# Altium PCB as14120_all_2.PcbDoc (part 2 of 2) (continued)
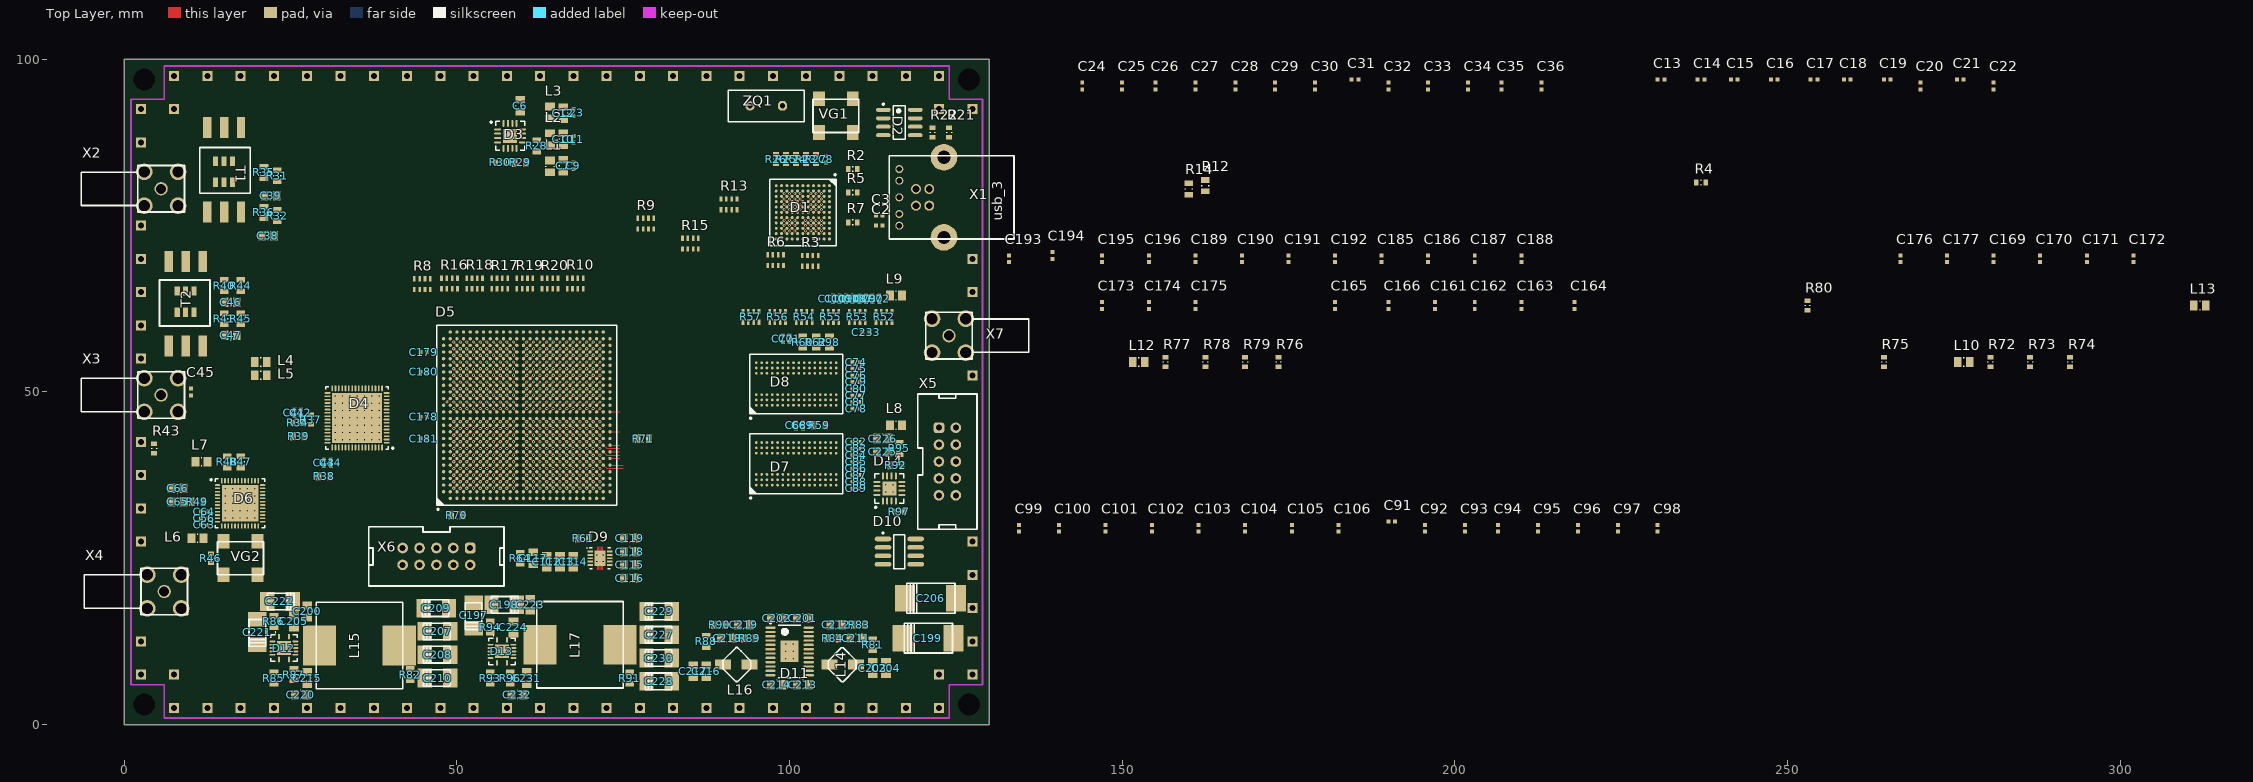
[diagram p0: Top Layer view]
## Nets (pads, with @x,y where several pads share a name; then routed paths per layer and width w, separated by ;. In a path a pad name is that pad's centre, name@x,y a point inside that pad or via, vN(x,y) a via of type N, cw(c..) or ccw(c..) an arc to the next point about the centre after c; other vN are vias at no path point) (continued)
  Top Layer w0.15: D5.P10@61,43 v1(61.5,42.5)
DDR_CK_P: D5.N10 D7.J7 D8.J7 R98.2 | length 0.7
  Top Layer w0.15: D5.N10@60,43 v1(60.5,42.5)
DDR_CKE: D5.AF14 D7.K9 D8.K9 R62.2 | length 1.5
  Top Layer w0.15: D5.AF14@73,47 74.5,47
DDR_CS: D5.R11 D7.L2 D8.L2 R57.8 | length 0.7
  Top Layer w0.15: D5.R11@62,44 v1(62.5,43.5)
DDR_DM0: D5.AF11 D7.E7 | length 1.5
  Top Layer w0.15: D5.AF11@73,44 74.5,44
DDR_DM1: D5.AE18 D7.D3
DDR_DM2: D5.AE20 D8.E7
DDR_DM3: D5.AE24 D8.D3
DDR_DQ0: D5.AA14 D7.E3 | length 0.7
  Top Layer w0.15: D5.AA14@68,47 v1(68.5,47.5)
DDR_DQ1: D5.Y14 D7.F7 | length 0.7
  Top Layer w0.15: D5.Y14@67,47 v1(67.5,47.5)
DDR_DQ2: D5.AD11 D7.F2 | length 0.7
  Top Layer w0.15: D5.AD11@71,44 v1(71.5,43.5)
DDR_DQ3: D5.AD12 D7.F8 | length 0.7
  Top Layer w0.15: D5.AD12@71,45 v1(71.5,44.5)
DDR_DQ4: D5.Y13 D7.H3 | length 0.7
  Top Layer w0.15: D5.Y13@67,46 v1(67.5,45.5)
DDR_DQ5: D5.W12 D7.H8 | length 0.7
  Top Layer w0.15: D5.W12@66,45 v1(66.5,44.5)
DDR_DQ6: D5.AD10 D7.G2 | length 0.7
  Top Layer w0.15: D5.AD10@71,43 v1(71.5,42.5)
DDR_DQ7: D5.AF12 D7.H7
DDR_DQ8: D5.AC15 D7.D7 | length 0.7
  Top Layer w0.15: D5.AC15@70,48 v1(70.5,48.5)
DDR_DQ9: D5.AB15 D7.C3 | length 0.7
  Top Layer w0.15: D5.AB15@69,48 v1(69.5,48.5)
DDR_DQ10: D5.AC14 D7.C8 | length 0.7
  Top Layer w0.15: D5.AC14@70,47 v1(70.5,47.5)
DDR_DQ11: D5.AF13 D7.C2
DDR_DQ12: D5.AB16 D7.A7 | length 0.7
  Top Layer w0.15: D5.AB16@69,49 v1(69.5,49.5)
DDR_DQ13: D5.AA16 D7.A2 | length 0.7
  Top Layer w0.15: D5.AA16@68,49 v1(68.5,49.5)
DDR_DQ14: D5.AE14 D7.B8
DDR_DQ15: D5.AF18 D7.A3
DDR_DQ16: D5.AD16 D8.E3 | length 0.7
  Top Layer w0.15: D5.AD16@71,49 v1(71.5,49.5)
DDR_DQ17: D5.AD17 D8.F7 | length 0.7
  Top Layer w0.15: D5.AD17@71,50 v1(71.5,50.5)
DDR_DQ18: D5.AC18 D8.F2 | length 0.7
  Top Layer w0.15: D5.AC18@70,51 v1(70.5,51.5)
DDR_DQ19: D5.AF19 D8.F8
DDR_DQ20: D5.AC17 D8.H3 | length 0.7
  Top Layer w0.15: D5.AC17@70,50 v1(70.5,50.5)
DDR_DQ21: D5.AB17 D8.H8 | length 0.7
  Top Layer w0.15: D5.AB17@69,50 v1(69.5,50.5)
DDR_DQ22: D5.AF21 D8.G2
DDR_DQ23: D5.AE21 D8.H7
DDR_DQ24: D5.AE15 D8.D7
DDR_DQ25: D5.AE16 D8.C3
DDR_DQ26: D5.AC20 D8.C8 | length 0.7
  Top Layer w0.15: D5.AC20@70,53 v1(70.5,53.5)
DDR_DQ27: D5.AD21 D8.C2 | length 0.7
  Top Layer w0.15: D5.AD21@71,54 v1(71.5,54.5)
DDR_DQ28: D5.AF16 D8.A7
DDR_DQ29: D5.AF17 D8.A2
DDR_DQ30: D5.AD23 D8.B8 | length 0.7
  Top Layer w0.15: D5.AD23@71,56 v1(71.5,56.5)
DDR_DQ31: D5.AF23 D8.A3
DDR_DQS0_N: D5.W13 D7.G3 | length 0.7
  Top Layer w0.15: D5.W13@66,46 v1(66.5,45.5)
DDR_DQS0_P: D5.V13 D7.F3 | length 0.7
  Top Layer w0.15: D5.V13@65,46 v1(65.5,45.5)
DDR_DQS1_N: D5.V14 D7.B7 | length 0.7
  Top Layer w0.15: D5.V14@65,47 v1(65.5,47.5)
DDR_DQS1_P: D5.U14 D7.C7 | length 0.7
  Top Layer w0.15: D5.U14@64,47 v1(64.5,47.5)
DDR_DQS2_N: D5.W15 D8.G3 | length 0.7
  Top Layer w0.15: D5.W15@66,48 v1(66.5,48.5)
DDR_DQS2_P: D5.V15 D8.F3 | length 0.7
  Top Layer w0.15: D5.V15@65,48 v1(65.5,48.5)
DDR_DQS3_N: D5.W17 D8.B7 | length 0.7
  Top Layer w0.15: D5.W17@66,50 v1(66.5,50.5)
DDR_DQS3_P: D5.W16 D8.C7 | length 0.7
  Top Layer w0.15: D5.W16@66,49 v1(66.5,49.5)
DDR_ODT: D5.AD13 D7.K1 D8.K1 R57.7 | length 0.7
  Top Layer w0.15: D5.AD13@71,46 v1(71.5,45.5)
DDR_RAS: D5.Y10 D7.J3 D8.J3 R56.5 | length 0.7
  Top Layer w0.15: D5.Y10@67,43 v1(67.5,42.5)
DDR_RESET_N: D5.AE19 D7.T2 D8.T2 R63.2
DDR_WE: D5.T9 D7.L3 D8.L3 R56.7 | length 0.7
  Top Layer w0.15: D5.T9@63,42 v1(63.5,41.5)
FPGA_CONF_DONE: D1.C1 D1.D2 D1.D3 D1.D4 D5.A6 D5.B5 D5.F5 D5.N8 R77.2 R78.2 R79.2 | length 2.5
  Top Layer w0.15: v1(52.5,37.5) D5.F5@53,38 ; D5.N8@60,41 v1(60.5,40.5) ; D1.D4@103.607,78.6 v2@104.007,79 ; D1.D3@103.607,79.4 v2@104.007,79.8
  other v2: 104,79 104,79.8
FPGA_DATA0: D1.D5 D5.AF5 | length 0.6
  Top Layer w0.15: D1.D5@103.607,77.8 v2@104.007,78.2
  other v2: 104,78.2
NetC1_1: C1.1 D1.E11 R1.1
NetC2_2: C2.2 D1.A5
NetC3_2: C3.2 D1.A6
NetC4_2: C4.2 D1.C7 ZQ1.1 | length 0.6
  Top Layer w0.15: D1.C7@104.4,76.2 v2@104.8,75.8
  other v2: 104.8,75.807
NetC5_2: C5.2 D1.C6 ZQ1.2 | length 0.6
  Top Layer w0.15: D1.C6@104.407,77 v2@104.807,77.4
  other v2: 104.8,77.4
NetC8_2: C8.2 D1.C5 R27.1 | length 0.6
  Top Layer w0.15: D1.C5@104.407,77.8 v2@104.807,78.2
  other v2: 104.8,78.2
NetC37_1: C37.1 X2.1
NetC37_2: C37.2 R33.2 T1.4
NetC38_1: C38.1 R35.1 R36.2
NetC38_2: C38.2 R31.1 R32.2
NetC39_1: C39.1 D4.38 R36.1
NetC39_2: C39.2 D4.37 R32.1
NetC41_1: C41.1 C42.1 D4.39 R37.2
NetC43_2: C43.2 D4.49
NetC44_2: C44.2 D4.50
NetC45_1: C45.1 X3.1
NetC45_2: C45.2 R42.2 T2.4
NetC46_1: C46.1 R44.1 R45.2
NetC46_2: C46.2 R40.1 R41.2
NetC47_1: C47.1 D4.43 R45.1
NetC47_2: C47.2 D4.44 R41.1
NetC48_1: C48.1 C49.1 C50.1 C51.1 C52.1 C53.1 C54.1 D4.20 D4.64 D4.65 R43.2
  other v1: 31.7,42.8 32.8,42.8 33.9,42.8 35,42.8 36.1,42.8 37.2,42.8 38.3,42.8 31.7,43.9 32.8,43.9 33.9,43.9 35,43.9 36.1,43.9 37.2,43.9 38.3,43.9 31.7,45 32.8,45 33.9,45 35,45 36.1,45 37.2,45 38.3,45 31.7,46.1 32.8,46.1 33.9,46.1 35,46.1 36.1,46.1 37.2,46.1 38.3,46.1 31.7,47.2 32.8,47.2 33.9,47.2 35,47.2 36.1,47.2 37.2,47.2 38.3,47.2 31.7,48.3 32.8,48.3 33.9,48.3 35,48.3 36.1,48.3 37.2,48.3 38.3,48.3 31.7,49.4 32.8,49.4 33.9,49.4 35,49.4 36.1,49.4 37.2,49.4 38.3,49.4
NetC52_2: C52.2 C53.2 C54.2 D4.36 D4.45 D4.46 L4.1
NetC56_2: C56.2 C57.2 C58.2 C59.2 C60.2 D6.10 D6.21 D6.24 D6.25 D6.30 D6.31 D6.36 D6.37 D6.40 D6.43 D6.45 L6.1 L7.2
NetC61_2: C61.2 C62.2 D6.3 L7.1
NetC63_2: C63.2 D6.12
NetC64_2: C64.2 D6.9
NetC65_2: C65.2 R49.2
NetC66_2: C66.2 D6.4 D6.8 R49.1
NetC67_1: C67.1 X4.1
NetC72_1: C72.1 C73.1 C90.1 C107.1 C108.1 C109.1 C110.2 C111.2 L9.1 R52.1 R52.2 R52.3 R52.4 R53.1 R53.2 R53.3 R53.4 R54.1 R54.2 R54.3 R54.4 R55.1 R55.2 R55.3 R55.4 R56.1 R56.2 R56.3 R56.4 R57.1 R57.2 R57.3 R57.4
NetC116_2: C116.2 D9.6
NetC117_2: C117.2 D9.1 R61.1 R64.2
NetC127_2: C127.2 C128.2 C129.2 C130.2 C131.2 D5.G21 D5.J6 D5.L3 D5.R3 D5.T4 D5.W7 D5.Y21 L10.1 | length 4.9
  Top Layer w0.15: v1(53.5,54.5) D5.G21@54,54 ; v1(55.5,38.5) D5.J6@56,39 ; v1(57.5,35.5) D5.L3@58,36 ; D5.R3@62,36 v1(62.5,35.5) ; D5.T4@63,37 v1(63.5,36.5) ; D5.W7@66,40 v1(66.5,39.5) ; D5.Y21@67,54 v1(67.5,54.5)
NetC205_1: C205.1 D12.13
NetC205_2: C205.2 D12.11 D12.12 L15.1
NetC211_2: C211.2 R84.1
NetC212_2: C212.2 D11.22 R84.2
NetC215_2: C215.2 D12.9
NetC218_2: C218.2 R89.1
NetC219_2: C219.2 D11.3 R89.2
NetC220_2: C220.2 R87.2
NetC224_1: C224.1 D13.13
NetC224_2: C224.2 D13.11 D13.12 L17.1
NetC231_2: C231.2 D13.9
NetC232_2: C232.2 R96.2
NetC233_2: C233.2 R60.2 R98.1
NetD1_B2: D1.B2 R2.2
NetD1_B3: D1.B3 R14.1
NetD1_B4: D1.B4 R5.2
NetD1_C8: D1.C8 R12.1 | length 0.6
  Top Layer w0.15: D1.C8@104.4,75.4 v2@104.8,75
  other v2: 104.8,75.007
NetD1_C9: D1.C9 R4.1 | length 0.6
  Top Layer w0.15: D1.C9@104.4,74.6 v2@104.8,74.2
  other v2: 104.8,74.207
NetD1_E1: D1.E1 R17.5
NetD1_E4: D1.E4 R18.5 | length 0.6
  Top Layer w0.15: D1.E4@102.807,78.6 v2@103.207,79
  other v2: 103.2,79
NetD1_E5: D1.E5 R18.7 | length 0.6
  Top Layer w0.15: D1.E5@102.807,77.8 v2@103.207,78.2
  other v2: 103.2,78.2
NetD1_E6: D1.E6 R7.2 | length 0.6
  Top Layer w0.15: D1.E6@102.807,77 v2@103.207,77.4
  other v2: 103.2,77.4
NetD1_F3: D1.F3 R13.5 | length 0.6
  Top Layer w0.15: v2@101.593,79.8 D1.F3@101.993,79.4
  other v2: 101.6,79.8
NetD1_F4: D1.F4 R10.7 | length 0.6
  Top Layer w0.15: v2@101.593,79 D1.F4@101.993,78.6
  other v2: 101.6,79
NetD1_F5: D1.F5 R17.7 | length 0.6
  Top Layer w0.15: v2@101.593,78.2 D1.F5@101.993,77.8
  other v2: 101.6,78.2
NetD1_F7: D1.F7 R6.8 | length 0.6
  Top Layer w0.15: D1.F7@102.007,76.2 v2@102.407,75.8
  other v2: 102.4,75.8
NetD1_F8: D1.F8 R8.6 | length 0.6
  Top Layer w0.15: D1.F8@102.007,75.4 v2@102.407,75
  other v2: 102.4,75
NetD1_F9: D1.F9 R3.6 | length 0.6
  Top Layer w0.15: D1.F9@102,74.6 v2@102.4,74.2
  other v2: 102.4,74.207
NetD1_F10: D1.F10 R3.8
NetD1_G2: D1.G2 R10.5
NetD1_G3: D1.G3 R13.7 | length 0.6
  Top Layer w0.15: v2@100.793,79.8 D1.G3@101.193,79.4
  other v2: 100.8,79.8
NetD1_G4: D1.G4 R23.1 | length 0.6
  Top Layer w0.15: v2@100.793,79 D1.G4@101.193,78.6
  other v2: 100.8,79
NetD1_G5: D1.G5 R19.7 | length 0.6
  Top Layer w0.15: v2@100.793,78.2 D1.G5@101.193,77.8
  other v2: 100.8,78.2
NetD1_G6: D1.G6 R18.8 | length 0.6
  Top Layer w0.15: v2@100.793,77.4 D1.G6@101.193,77
  other v2: 100.8,77.4
NetD1_G7: D1.G7 R17.6 | length 0.6
  Top Layer w0.15: v2@100.793,75.8 D1.G7@101.193,76.2
  other v2: 100.8,75.8
NetD1_G8: D1.G8 R15.5 | length 0.6
  Top Layer w0.15: v2@100.793,75 D1.G8@101.193,75.4
  other v2: 100.8,75
NetD1_G9: D1.G9 R8.8 | length 0.6
  Top Layer w0.15: v2@100.8,74.2 D1.G9@101.2,74.6
  other v2: 100.807,74.2
NetD1_G10: D1.G10 R6.6
NetD1_H2: D1.H2 R9.6
NetD1_H3: D1.H3 R9.7 | length 0.6
  Top Layer w0.15: v2@99.993,79.8 D1.H3@100.393,79.4
  other v2: 100,79.8
NetD1_H4: D1.H4 R24.1 | length 0.6
  Top Layer w0.15: v2@99.993,79 D1.H4@100.393,78.6
  other v2: 100,79
NetD1_H5: D1.H5 R20.7 | length 0.6
  Top Layer w0.15: v2@99.993,78.2 D1.H5@100.393,77.8
  other v2: 100,78.2
NetD1_H6: D1.H6 R19.6 | length 0.6
  Top Layer w0.15: v2@99.993,77.4 D1.H6@100.393,77
  other v2: 100,77.4
NetD1_H7: D1.H7 R17.8 | length 0.6
  Top Layer w0.15: v2@99.993,75.8 D1.H7@100.393,76.2
  other v2: 100,75.8
NetD1_H8: D1.H8 R19.8 | length 0.6
  Top Layer w0.15: v2@99.993,75 D1.H8@100.393,75.4
  other v2: 100,75
NetD1_H9: D1.H9 R9.5 | length 0.6
  Top Layer w0.15: v2@100,74.2 D1.H9@100.4,74.6
  other v2: 100.007,74.2
NetD1_H10: D1.H10 R9.8
NetD1_J1: D1.J1 R8.5
NetD1_J2: D1.J2 R6.5
NetD1_J3: D1.J3 R8.7 | length 0.6
  Top Layer w0.15: v2@99.193,79.8 D1.J3@99.593,79.4
  other v2: 99.2,79.8
NetD1_J4: D1.J4 R3.5 | length 0.6
  Top Layer w0.15: v2@99.193,79 D1.J4@99.593,78.6
  other v2: 99.2,79
NetD1_J5: D1.J5 R20.8 | length 0.6
  Top Layer w0.15: v2@99.193,78.2 D1.J5@99.593,77.8
  other v2: 99.2,78.2
NetD1_J6: D1.J6 R16.8 | length 0.6
  Top Layer w0.15: v2@99.193,77.4 D1.J6@99.593,77
  other v2: 99.2,77.4
NetD1_J7: D1.J7 R16.5 | length 0.6
  Top Layer w0.15: v2@99.193,75.8 D1.J7@99.593,76.2
  other v2: 99.2,75.8
NetD1_J8: D1.J8 R15.6 | length 0.6
  Top Layer w0.15: v2@99.193,75 D1.J8@99.593,75.4
  other v2: 99.2,75
NetD1_J9: D1.J9 R10.6 | length 0.6
  Top Layer w0.15: v2@99.2,74.2 D1.J9@99.6,74.6
  other v2: 99.207,74.2
NetD1_J10: D1.J10 R10.8
NetD1_K1: D1.K1 R6.7
NetD1_K2: D1.K2 R3.7
NetD1_K5: D1.K5 R19.5
NetD1_K6: D1.K6 R18.6
NetD1_K7: D1.K7 R16.6
NetD1_K8: D1.K8 R16.7
NetD1_K9: D1.K9 R15.7
NetD1_K10: D1.K10 R15.8
NetD1_K11: D1.K11 R13.8
NetD1_L4: D1.L4 R25.1
NetD1_L8: D1.L8 R26.1
NetD1_L10: D1.L10 R13.6
NetD3_5: D3.5 R30.1
NetD3_9: D3.9 R28.1 R29.2
NetD4_40: D4.40 R34.2 R37.1
NetD4_42: D4.42 R39.1
NetD5_AE11: D5.AE11 R71.1
NetD5_B1: D5.B1 R70.1
NetD5_J5: D5.J5 R76.1 | length 0.7
  Top Layer w0.15: v1(55.5,37.5) D5.J5@56,38
NetD5_M7: D5.M7 R75.1 | length 0.7
  Top Layer w0.15: v1(58.5,39.5) D5.M7@59,40
NetD6_44: D6.44 R47.1
NetD6_46: D6.46 R48.1
NetD7_L8: D7.L8 R58.1
NetD8_L8: D8.L8 R59.1
NetD10_6: D10.6 R67.1 R68.1 R69.2
NetD10_7: D10.7 R65.1 R66.1 R67.2
NetD11_2: D11.2 R88.1 R90.2
NetD11_8: D11.8 D11.9 L16.1
NetD11_16: D11.16 D11.17 L14.1
NetD11_23: D11.23 R81.1 R83.1
NetD12_1: D12.1 R86.1
NetD12_7: D12.7 R82.1 R85.2
NetD12_8: D12.8 R87.1
NetD13_1: D13.1 R94.1
NetD13_7: D13.7 R91.1 R93.2
NetD13_8: D13.8 R96.1
NetD14_5: D14.5 R97.1
NetD14_9: D14.9 R92.1 R95.2
NetR1_2: R1.2 X1.1
NetR11_2: R11.2 VG1.1
NetR31_2: R31.2 T1.3
NetR35_2: R35.2 T1.1
NetR40_2: R40.2 T2.3
NetR44_2: R44.2 T2.1
NetR46_2: R46.2 VG2.1
NetVD2_2: VD2.2 X7.1
PG1P1: D12.14 D13.10
SS_RX_N: D1.A3 X1.8
SS_RX_P: D1.A4 X1.9
SS_TX_N: C3.1 X1.5
SS_TX_P: C2.1 X1.6
TCK: D5.Y5 R73.2 R80.2 X6.1 | length 0.7
  Top Layer w0.15: D5.Y5@67,38 v1(67.5,37.5)
TDI: D5.T6 R74.1 X6.9 | length 0.7
  Top Layer w0.15: D5.T6@63,39 v1(63.5,38.5)
TDO: D5.V7 X6.3 | length 0.7
  Top Layer w0.15: D5.V7@65,40 v1(65.5,39.5)
TMS: D5.R6 R72.2 X6.5 | length 0.7
  Top Layer w0.15: D5.R6@62,39 v1(62.5,38.5)
TTL_CLK: D5.J8 | length 0.7
  Top Layer w0.15: v1(55.5,40.5) D5.J8@56,41
TTL_RX: D10.1
TTL_SDIN: D5.G7 | length 0.7
  Top Layer w0.15: v1(53.5,39.5) D5.G7@54,40
TTL_SDOUT: D5.F7 | length 0.7
  Top Layer w0.15: v1(52.5,39.5) D5.F7@53,40
TTL_SS: D5.K10 | length 0.7
  Top Layer w0.15: v1(56.5,42.5) D5.K10@57,43
TTL_TX: D10.4
TTL_TX_EN: D10.2 D10.3
U3RXVDDQ: C7.2 C9.2 D1.A2 L1.2
U3TXVDDQ: C10.2 C11.2 D1.B5 L2.2
USB_N: D1.A10 X1.2
USB_P: D1.A9 X1.3
V0P75D: C112.2 C113.2 C114.2 D9.3 D9.5 L8.1 L9.2
V1P1D: C120.2 C121.2 C122.2 C123.2 C124.2 C125.2 C126.2 C132.2 C133.2 C134.2 C135.2 C136.2 C137.2 C138.2 C144.2 C145.2 C146.2 C147.2 C148.2 C149.2 C150.2 C207.1 C208.1 C209.1 C210.1 C234.2 D5.J3 D5.J13 D5.J15 D5.J17 D5.J19 D5.K4 D5.K14 D5.K16 D5.K18 D5.K20 D5.L13 D5.L15 D5.L17 D5.L19 D5.M4 D5.M14 D5.M16 D5.M18 D5.M20 D5.N3 D5.N5 D5.N13 D5.N15 D5.N17 D5.N19 D5.P4 D5.P14 D5.P16 D5.P18 D5.R5 D5.R13 D5.R15 D5.R17 D5.R19 D5.T14 D5.T16 D5.T18 D5.U3 D5.U5 L15.2 R82.2 | length 27.6
  Top Layer w0.15: v1(55.5,35.5) D5.J3@56,36 ; v1(55.5,45.5) D5.J13@56,46 ; v1(55.5,48.5) D5.J15@56,48 ; v1(55.5,50.5) D5.J17@56,50 ; v1(55.5,52.5) D5.J19@56,52 ; v1(56.5,36.5) D5.K4@57,37 ; v1(56.5,47.5) D5.K14@57,47 ; v1(56.5,49.5) D5.K16@57,49 ; v1(56.5,51.5) D5.K18@57,51 ; v1(56.5,53.5) D5.K20@57,53 ; v1(57.5,45.5) D5.L13@58,46 ; v1(57.5,48.5) D5.L15@58,48 ; v1(57.5,50.5) D5.L17@58,50 ; v1(57.5,52.5) D5.L19@58,52 ; v1(58.5,36.5) D5.M4@59,37 ; v1(58.5,47.5) D5.M14@59,47 ; v1(58.5,49.5) D5.M16@59,49 ; v1(58.5,51.5) D5.M18@59,51 ; v1(58.5,53.5) D5.M20@59,53 ; D5.N3@60,36 v1(60.5,35.5) ; D5.N5@60,38 v1(60.5,37.5) ; D5.N13@60,46 v1(60.5,45.5) ; D5.N15@60,48 v1(60.5,48.5) ; D5.N17@60,50 v1(60.5,50.5) ; D5.N19@60,52 v1(60.5,52.5) ; D5.P4@61,37 v1(61.5,36.5) ; D5.P14@61,47 v1(61.5,47.5) ; D5.P16@61,49 v1(61.5,49.5) ; D5.P18@61,51 v1(61.5,51.5) ; D5.R5@62,38 v1(62.5,37.5) ; D5.R13@62,46 v1(62.5,45.5) ; D5.R15@62,48 v1(62.5,48.5) ; D5.R17@62,50 v1(62.5,50.5) ; D5.R19@62,52 v1(62.5,52.5) ; D5.T14@63,47 v1(63.5,47.5) ; D5.T16@63,49 v1(63.5,49.5) ; D5.T18@63,51 v1(63.5,51.5) ; D5.U3@64,36 v1(64.5,35.5) ; D5.U5@64,38 v1(64.5,37.5)
V1P2D: C6.2 C13.2 C14.2 C15.2 C16.2 C17.2 C18.2 C19.2 C20.2 C21.2 C22.2 D1.B10 D1.C3 D1.E9 D1.F11 D1.H1 D1.J11 D1.L5 D1.L7 D3.10 D3.11 D3.12 D3.13 D3.14 L1.1 L2.1 L3.1 R28.2 | length 1.1
  Top Layer w0.15: D1.E9@102.8,74.6 v2@103.2,74.2 ; D1.C3@104.407,79.4 v2@104.807,79.8
  other v2: 103.2,74.207 104.8,79.8
V1P5D: C74.2 C75.2 C76.2 C77.2 C78.2 C79.2 C80.2 C81.2 C82.2 C83.2 C84.2 C85.2 C86.2 C87.2 C88.2 C89.2 C91.2 C92.2 C93.2 C94.2 C95.2 C96.2 C97.2 C98.2 C99.2 C100.2 C101.2 C102.2 C103.2 C104.2 C105.2 C106.2 C115.2 C118.2 C119.2 C169.2 C170.2 C171.2 C172.2 C173.2 C174.2 C175.2 C225.2 C226.2 D5.AA10 D5.AA20 D5.AB13 D5.AC16 D5.AD9 D5.AD19 D5.AE12 D5.AE22 D5.AF15 D5.E8 D5.U8 D5.U18 D5.V11 D5.W14 D5.Y17 D7.A1 D7.A8 D7.B2 D7.C1 D7.C9 D7.D2 D7.D9 D7.E9 D7.F1 D7.G7 D7.H2 D7.H9 D7.K2 D7.K8 D7.N1 D7.N9 D7.R1 D7.R9 D8.A1 D8.A8 D8.B2 D8.C1 D8.C9 D8.D2 D8.D9 D8.E9 D8.F1 D8.G7 D8.H2 D8.H9 D8.K2 D8.K8 D8.N1 D8.N9 D8.R1 D8.R9 D9.2 D9.7 D9.10 D14.10 D14.11 D14.12 D14.13 D14.14 R61.2 R63.1 R92.2 | length 8.5
  Top Layer w0.15: v1(51.5,40.5) D5.E8@52,41 ; D5.U8@64,41 v1(64.5,40.5) ; D5.U18@64,51 v1(64.5,51.5) ; D5.V11@65,44 v1(65.5,43.5) ; D5.W14@66,47 v1(66.5,47.5) ; D5.Y17@67,50 v1(67.5,50.5) ; D5.AA10@68,43 v1(68.5,42.5) ; D5.AA20@68,53 v1(68.5,53.5) ; D5.AB13@69,46 v1(69.5,45.5) ; D5.AC16@70,49 v1(70.5,49.5) ; D5.AD9@71,42 v1(71.5,41.5) ; D5.AD19@71,52 v1(71.5,52.5)
V1P8D: C24.2 C25.2 C26.2 C27.2 C28.2 C29.2 C30.2 C48.2 C49.2 C50.2 C51.2 C176.2 C177.2 C185.2 C186.2 C187.2 C188.2 C193.2 C194.2 C195.2 C196.2 C203.2 C204.2 D1.B1 D1.E3 D1.F1 D1.H11 D1.L9 D3.1 D3.2 D3.3 D3.4 D3.15 D3.16 D4.1 D4.21 D4.24 D4.57 D5.AB23 D5.C26 D5.E22 D5.F25 D5.H21 D5.J24 D5.M23 D5.N26 D5.R22 D5.T25 D5.V21 D5.W24 D14.1 D14.2 D14.3 D14.4 D14.15 D14.16 L4.2 L5.1 L5.2 L13.2 L14.2 R23.2 R24.2 R27.2 R30.2 R81.2 R97.2 | length 6.2
  Top Layer w0.15: v1(51.5,55.5) D5.E22@52,55 ; v1(54.5,54.5) D5.H21@55,54 ; v1(55.5,57.5) D5.J24@56,57 ; v1(58.5,56.5) D5.M23@59,56 ; D5.R22@62,55 v1(62.5,55.5) ; D5.V21@65,54 v1(65.5,54.5) ; D5.W24@66,57 v1(66.5,57.5) ; D5.AB23@69,56 v1(69.5,56.5) ; D1.E3@102.807,79.4 v2@103.207,79.8
  other v2: 103.2,79.8
V2P5D: C153.2 C154.2 C155.2 C156.2 C157.2 C158.2 C159.2 C160.2 C161.2 C162.2 C163.2 C164.2 C178.2 C179.2 C180.2 C181.2 C182.2 C183.2 C184.2 C216.2 C217.2 D5.A10 D5.A20 D5.AA11 D5.AA13 D5.AA17 D5.AA19 D5.AB9 D5.AB21 D5.B13 D5.B23 D5.C16 D5.D19 D5.E12 D5.F9 D5.F11 D5.F13 D5.F15 D5.F17 D5.F19 D5.G18 D5.H11 D5.J22 D5.L21 D5.N22 D5.R21 D5.U21 L10.2 L12.2 L16.2 R88.2 | length 15.6
  Top Layer w0.15: v1(49.5,49.5) D5.C16@50,49 ; v1(50.5,52.5) D5.D19@51,52 ; v1(51.5,44.5) D5.E12@52,45 ; v1(52.5,41.5) D5.F9@53,42 ; v1(52.5,43.5) D5.F11@53,44 ; v1(52.5,45.5) D5.F13@53,46 ; v1(52.5,48.5) D5.F15@53,48 ; v1(52.5,50.5) D5.F17@53,50 ; v1(52.5,52.5) D5.F19@53,52 ; v1(53.5,51.5) D5.G18@54,51 ; v1(54.5,43.5) D5.H11@55,44 ; v1(55.5,55.5) D5.J22@56,55 ; v1(57.5,54.5) D5.L21@58,54 ; D5.N22@60,55 v1(60.5,55.5) ; D5.R21@62,54 v1(62.5,54.5) ; D5.U21@64,54 v1(64.5,54.5) ; D5.AA11@68,44 v1(68.5,43.5) ; D5.AA13@68,46 v1(68.5,45.5) ; D5.AA17@68,50 v1(68.5,50.5) ; D5.AA19@68,52 v1(68.5,52.5) ; D5.AB9@69,42 v1(69.5,41.5) ; D5.AB21@69,54 v1(69.5,54.5)
V3P3D: C31.2 C32.2 C33.2 C34.2 C35.2 C36.2 C189.2 C190.2 C191.2 C192.2 C201.2 C202.2 C213.2 C214.2 C227.1 C228.1 C229.1 C230.1 D1.B6 D1.C11 D1.E10 D2.8 D5.C6 D5.D9 D5.G8 D5.K7 D11.4 D11.6 D11.7 D11.10 D11.11 D11.12 D11.18 D11.19 D11.20 D11.21 L6.2 L17.2 R7.1 R11.1 R21.2 R22.2 R46.1 R50.2 R65.2 R91.2 VD1.2 VG1.4 VG2.4 X5.5 X5.7 | length 2.8
  Top Layer w0.15: v1(49.5,38.5) D5.C6@50,39 ; v1(50.5,41.5) D5.D9@51,42 ; v1(53.5,40.5) D5.G8@54,41 ; v1(56.5,39.5) D5.K7@57,40
VCC_AUX: C139.2 C140.2 C141.2 C142.2 C143.2 D5.AA8 D5.AB14 D5.AB20 D5.E14 D5.G9 D5.G19 L12.1 | length 4.2
  Top Layer w0.15: v1(51.5,47.5) D5.E14@52,47 ; v1(53.5,41.5) D5.G9@54,42 ; v1(53.5,52.5) D5.G19@54,52 ; D5.AA8@68,41 v1(68.5,40.5) ; D5.AB14@69,47 v1(69.5,47.5) ; D5.AB20@69,53 v1(69.5,53.5)
VCCPGM: C151.2 C152.2 C165.2 C166.2 D5.AA9 D5.AC6 D5.F8 D5.W22 D5.Y7 L13.1 R72.1 R73.1 R74.2 R75.2 R76.2 R77.1 R78.1 R79.1 X6.4 | length 3.5
  Top Layer w0.15: v1(52.5,40.5) D5.F8@53,41 ; D5.W22@66,55 v1(66.5,55.5) ; D5.Y7@67,40 v1(67.5,39.5) ; D5.AA9@68,42 v1(68.5,41.5) ; D5.AC6@70,39 v1(70.5,38.5)
VREFDDR: C68.2 C69.2 C70.2 C71.2 C167.2 C168.2 D5.AC12 D5.AD15 D7.H1 D7.M8 D8.H1 D8.M8 L8.2 | length 1.4
  Top Layer w0.15: D5.AC12@70,45 v1(70.5,44.5) ; D5.AD15@71,48 v1(71.5,48.5)
pads on no net: D1.A11 D1.B11 D1.C2 D1.C4 D1.C10 D1.D1 D1.D6 D1.D11 D1.E7 D1.E8 D1.F2 D1.F6 D3.7 D3.8 D4.33 D4.34 D4.35 D4.53 D4.54 D4.55 D4.56 D4.58 D4.59 D4.60 D4.61 D5.A3 D5.A4 D5.A5 D5.A7 D5.A8 D5.A9 D5.A11 D5.A12 D5.A13 D5.A14 D5.A16 D5.A17 D5.A18 D5.A19 D5.A21 D5.AA3 D5.AA4 D5.AA6 D5.AA7 D5.AA12 D5.AA18 D5.AA21 D5.AB5 D5.AB6 D5.AB7 D5.AB19 D5.AB22 D5.AC3 D5.AC4 D5.AC22 D5.AC23 D5.AC25 D5.AD5 D5.AD6 D5.AD7 D5.AD25 D5.AE3 D5.AE4 D5.AE10 D5.AE13 D5.AE25 D5.AE26 D5.B6 D5.B7 D5.B9 D5.B10 D5.B11 D5.B12 D5.B14 D5.B15 D5.B17 D5.B19 D5.B20 D5.B21 D5.B22 D5.B25 D5.B26 D5.C3 D5.C4 D5.C9 D5.C10 D5.C12 D5.C13 D5.C15 D5.C17 D5.C18 D5.C19 D5.C20 D5.C24 D5.C25 D5.D6 D5.D8 D5.D10 D5.D11 D5.D12 D5.D13 D5.D22 D5.D25 D5.D26 D5.E3 D5.E4 D5.E6 D5.E9 D5.E10 D5.E11 D5.E13 D5.E15 D5.E21 D5.E23 D5.F12 D5.F14 D5.F16 D5.F21 D5.F23 D5.G3 D5.G4 D5.G10 D5.G11 D5.G12 D5.G20 D5.G22 D5.G24 D5.G25 D5.H8 D5.H9 D5.H10 D5.H12 D5.H19 D5.H20 D5.H22 D5.H23 D5.H24 D5.H25 D5.J10 D5.J20 D5.J21 D5.J23 D5.K1 D5.K2 D5.K8 D5.K9 D5.K21 D5.L8 D5.L9 D5.L11 D5.L22 D5.L23 D5.L24 D5.M9 D5.M10 D5.M11 D5.M22 D5.M25 D5.M26 D5.N9 D5.N20 D5.P1 D5.P2 D5.P8 D5.P11 D5.P12 D5.P23 D5.R8 D5.R9 D5.R10 D5.R23 D5.R24 D5.R26 D5.T7 D5.T8 D5.T11 D5.T12 D5.T13 D5.T19 D5.T21 D5.T22 D5.U6 D5.U7 D5.U12 D5.U20 D5.U22 D5.U26 D5.V8 D5.V12 D5.V17 D5.V18 D5.V22 D5.W3 D5.W4 D5.W8 D5.Y6 D5.Y8 D5.Y9 D5.Y11 D5.Y15 D5.Y16 D5.Y18 D5.Y19 D5.Y20 D5.Y23 D5.Y24 D5.Y25 D6.2 D6.7 D6.11 D6.17 D6.18 D6.19 D6.20 D6.22 D6.23 D6.26 D6.27 D6.28 D6.29 D6.32 D6.33 D6.38 D6.39 D6.41 D6.42 D7.J1 D7.J9 D7.L1 D7.L9 D7.M7 D8.J1 D8.J9 D8.L1 D8.L9 D8.M7 D9.9 D10.5 D10.8 D11.13 D11.15 D12.10 D13.14 D14.7 D14.8 R20.3 R20.4 R20.5 R20.6 R57.5 T1.5 T1.11 T1.12 T1.13 T1.14 T1.15 T1.16 T2.5 T2.11 T2.12 T2.13 T2.14 T2.15 T2.16 X6.6 X6.7 X6.8
copper on no net: | length 94.8
  Top Layer w0.15: v1(49.5,35.5) 50,36 ; v1(49.5,36.5) 50,37 ; v1(49.5,41.5) 50,42 ; v1(49.5,42.5) 50,43 ; v1(49.5,44.5) 50,45 ; v1(49.5,45.5) 50,46 ; v1(49.5,48.5) 50,48 ; v1(49.5,50.5) 50,50 ; v1(49.5,51.5) 50,51 ; v1(49.5,52.5) 50,52 ; v1(49.5,53.5) 50,53 ; v1(49.5,57.5) 50,57 ; v1(50.5,38.5) 51,39 ; v1(50.5,40.5) 51,41 ; v1(50.5,42.5) 51,43 ; v1(50.5,43.5) 51,44 ; v1(50.5,44.5) 51,45 ; v1(50.5,45.5) 51,46 ; v1(50.5,55.5) 51,55 ; v1(51.5,35.5) 52,36 ; v1(51.5,36.5) 52,37 ; v1(51.5,38.5) 52,39 ; v1(51.5,41.5) 52,42 ; v1(51.5,42.5) 52,43 ; v1(51.5,43.5) 52,44 ; v1(51.5,45.5) 52,46 ; v1(51.5,48.5) 52,48 ; v1(51.5,54.5) 52,54 ; v1(51.5,56.5) 52,56 ; v1(52.5,44.5) 53,45 ; v1(52.5,47.5) 53,47 ; v1(52.5,49.5) 53,49 ; v1(52.5,54.5) 53,54 ; v1(52.5,56.5) 53,56 ; v1(53.5,35.5) 54,36 ; v1(53.5,36.5) 54,37 ; v1(53.5,42.5) 54,43 ; v1(53.5,43.5) 54,44 ; v1(53.5,44.5) 54,45 ; v1(53.5,53.5) 54,53 ; v1(53.5,55.5) 54,55 ; v1(53.5,57.5) 54,57 ; v1(54.5,40.5) 55,41 ; v1(54.5,41.5) 55,42 ; v1(54.5,42.5) 55,43 ; v1(54.5,44.5) 55,45 ; v1(54.5,52.5) 55,52 ; v1(54.5,53.5) 55,53 ; v1(54.5,55.5) 55,55 ; v1(54.5,56.5) 55,56 ; v1(54.5,57.5) 55,57 ; v1(55.5,42.5) 56,43 ; v1(55.5,53.5) 56,53 ; v1(55.5,54.5) 56,54 ; v1(55.5,56.5) 56,56 ; v1(56.5,40.5) 57,41 ; v1(56.5,41.5) 57,42 ; v1(56.5,54.5) 57,54 ; v1(57.5,40.5) 58,41 ; v1(57.5,41.5) 58,42 ; v1(57.5,43.5) 58,44 ; v1(57.5,55.5) 58,55 ; v1(57.5,56.5) 58,56 ; v1(57.5,57.5) 58,57 ; v1(58.5,41.5) 59,42 ; v1(58.5,42.5) 59,43 ; v1(58.5,43.5) 59,44 ; v1(58.5,55.5) 59,55 ; 60,42 v1(60.5,41.5) ; 60,53 v1(60.5,53.5) ; 61,41 v1(61.5,40.5) ; 61,44 v1(61.5,43.5) ; 61,45 v1(61.5,44.5) ; 61,56 v1(61.5,56.5) ; 62,41 v1(62.5,40.5) ; 62,42 v1(62.5,41.5) ; 62,43 v1(62.5,42.5) ; 62,56 v1(62.5,56.5) ; 62,57 v1(62.5,57.5) ; 63,40 v1(63.5,39.5) ; 63,41 v1(63.5,40.5) ; 63,44 v1(63.5,43.5) ; 63,45 v1(63.5,44.5) ; 63,46 v1(63.5,45.5) ; 63,52 v1(63.5,52.5) ; 63,54 v1(63.5,54.5) ; 63,55 v1(63.5,55.5) ; 64,39 v1(64.5,38.5) ; 64,40 v1(64.5,39.5) ; 64,45 v1(64.5,44.5) ; 64,53 v1(64.5,53.5) ; 64,55 v1(64.5,55.5) ; 65,41 v1(65.5,40.5) ; 65,45 v1(65.5,44.5) ; 65,50 v1(65.5,50.5) ; 65,51 v1(65.5,51.5) ; 65,55 v1(65.5,55.5) ; 66,36 v1(66.5,35.5) ; 66,37 v1(66.5,36.5) ; 66,41 v1(66.5,40.5) ; 67,39 v1(67.5,38.5) ; 67,41 v1(67.5,40.5) ; 67,42 v1(67.5,41.5) ; 67,44 v1(67.5,43.5) ; 67,48 v1(67.5,48.5) ; 67,49 v1(67.5,49.5) ; 67,51 v1(67.5,51.5) ; 67,52 v1(67.5,52.5) ; 67,53 v1(67.5,53.5) ; 67,56 v1(67.5,56.5) ; 67,57 v1(67.5,57.5) ; 68,36 v1(68.5,35.5) ; 68,37 v1(68.5,36.5) ; 68,39 v1(68.5,38.5) ; 68,40 v1(68.5,39.5) ; 68,45 v1(68.5,44.5) ; 68,51 v1(68.5,51.5) ; 68,54 v1(68.5,54.5) ; 69,38 v1(69.5,37.5) ; 69,39 v1(69.5,38.5) ; 69,40 v1(69.5,39.5) ; 69,52 v1(69.5,52.5) ; 69,55 v1(69.5,55.5) ; 70,36 v1(70.5,35.5) ; 70,37 v1(70.5,36.5) ; 70,55 v1(70.5,55.5) ; 70,56 v1(70.5,56.5) ; 71,38 v1(71.5,37.5) ; 71,39 v1(71.5,38.5) ; 71,40 v1(71.5,39.5) ; v2@101.593,77.4 101.993,77 ; 102.807,75.4 v2@103.207,75 ; 102.807,76.2 v2@103.207,75.8 ; 103.607,77 v2@104.007,77.4 ; 104.407,78.6 v2@104.807,79
  other v2: 103.2,75 103.2,75.8 101.6,77.4 104,77.4 104.8,79

## Polygon pours and split planes (outlines as drawn)
0V on GND1 (split plane): 129.498,0.502 0.502,0.502 0.502,99.498 129.498,99.498
0V on GND2 (split plane): 129.498,0.502 0.502,0.502 0.502,99.498 129.498,99.498

## Keep-outs
Keep-Out Layer:
  lines w0.254: 1,6 1,94 6,94 6,99 124,99 124,94 129,94 129,6 124,6 124,1 6,1 6,6 1,6

## Text inside footprints (layer, text, board x,y; h text height)
X1: Top Overlay "usb_3" at 132,75.75 h1.5 r90